# KiCad board omodri_laas.kicad_pcb (continued)
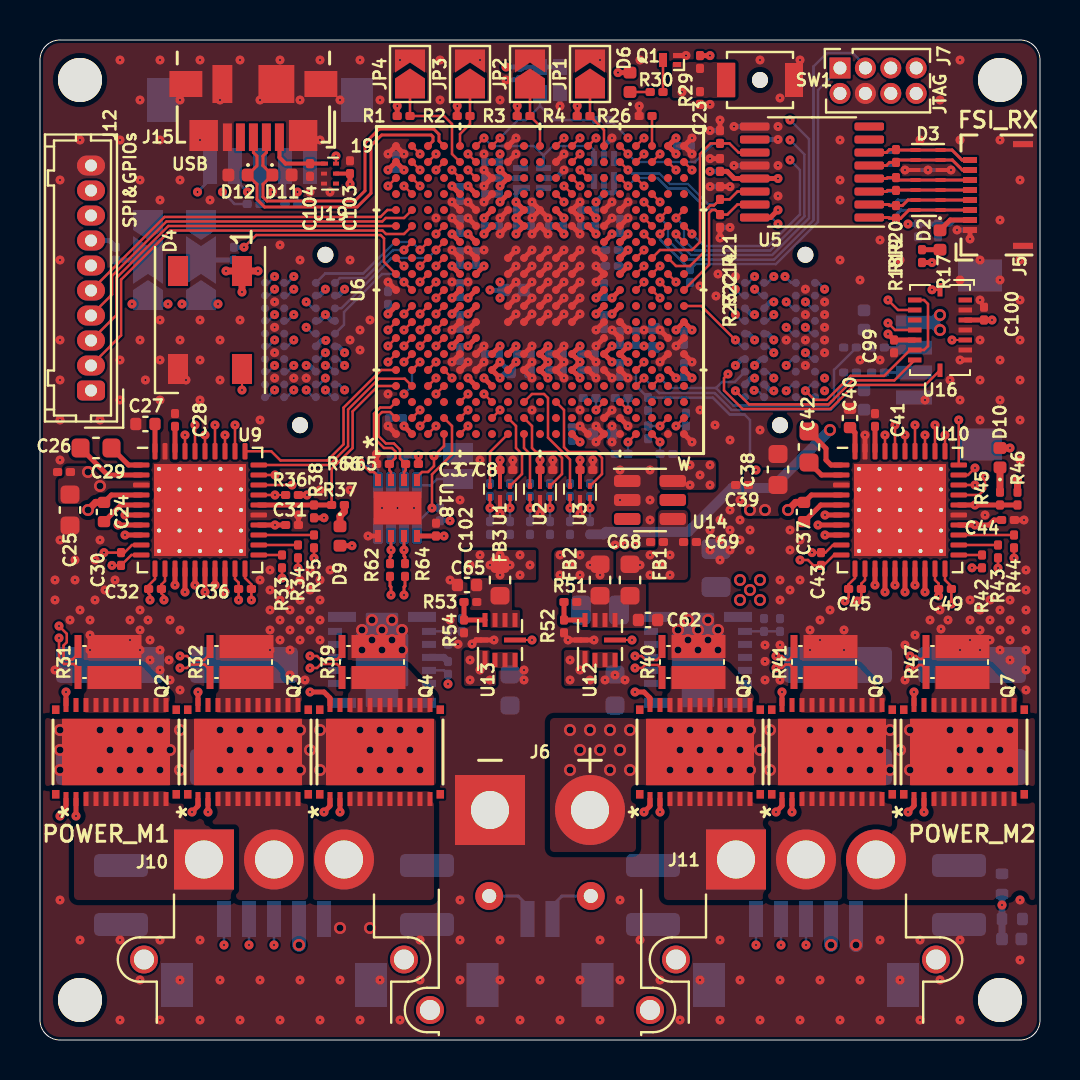
[diagram p0: board, top side]
## Footprints (pads in the part's own frame, mm; a bottom-side part is the same pattern mirrored in y, then rotated) (continued)
PinSocket_2x04_P1.27mm_Vertical
  rect 1.05x1.05 hole 0.65: 1(0,0)
  oval 1.05x1.05 hole 0.65: 2(-1.27,0) 3(0,-1.27) 4(-1.27,-1.27) 5(0,-2.54) 6(-1.27,-2.54) 7(0,-3.81) 8(-1.27,-3.81)
QFN-10_2x2mm_P0.5mm
  rect 0.8x0.25 smd: 1(-0.95,0.75)
  rect 0.7x0.25 smd: 2(-1,0.25) 3(-1,-0.25) 4(-1,-0.75) 6(1,-0.75) 7(1,-0.25) 8(1,0.25) 9(1,0.75)
  rect 0.25x1.1 smd: 5(0,-0.75)
  rect 0.25x0.7 smd: 10(0,0.95)
QFN-40-1EP_6x6mm_P0.5mm_EP4.6x4.6mm_ThermalVias
  custom 0.891x0.891 smd: (-1.538,1.538) (-1.538,0.512) (-1.538,-0.512) (-1.538,-1.538) (-0.512,1.538) (-0.512,0.512) (-0.512,-0.512) (-0.512,-1.538) (0.512,1.538) (0.512,0.512) (0.512,-0.512) (0.512,-1.538) (1.538,1.538) (1.538,0.512) (1.538,-0.512) (1.538,-1.538)
  rrect 0.825x0.25 smd: 1(-2.938,2.25) 2(-2.938,1.75) 3(-2.938,1.25) 4(-2.938,0.75) 5(-2.938,0.25) 6(-2.938,-0.25) 7(-2.938,-0.75) 8(-2.938,-1.25) 9(-2.938,-1.75) 10(-2.938,-2.25) 21(2.938,-2.25) 22(2.938,-1.75) 23(2.938,-1.25) 24(2.938,-0.75) 25(2.938,-0.25) 26(2.938,0.25) 27(2.938,0.75) 28(2.938,1.25) 29(2.938,1.75) 30(2.938,2.25)
  rrect 0.25x0.825 smd: 11(-2.25,-2.938) 12(-1.75,-2.938) 13(-1.25,-2.938) 14(-0.75,-2.938) 15(-0.25,-2.938) 16(0.25,-2.938) 17(0.75,-2.938) 18(1.25,-2.938) 19(1.75,-2.938) 20(2.25,-2.938) 31(2.25,2.938) 32(1.75,2.938) 33(1.25,2.938) 34(0.75,2.938) 35(0.25,2.938) 36(-0.25,2.938) 37(-0.75,2.938) 38(-1.25,2.938) 39(-1.75,2.938) 40(-2.25,2.938)
  round 0.5 hole 0.2: 41(-2.05,2.05) 41(-2.05,1.025) 41(-2.05,0) 41(-2.05,-1.025) 41(-2.05,-2.05) 41(-1.025,2.05) 41(-1.025,1.025) 41(-1.025,0) 41(-1.025,-1.025) 41(-1.025,-2.05) 41(0,2.05) 41(0,1.025) 41(0,0) 41(0,-1.025) 41(0,-2.05) 41(1.025,2.05) 41(1.025,1.025) 41(1.025,0) 41(1.025,-1.025) 41(1.025,-2.05) 41(2.05,2.05) 41(2.05,1.025) 41(2.05,0) 41(2.05,-1.025) 41(2.05,-2.05)
  rect 4.6x4.6 smd: 41(0,0)
  rect 4.6x4.6 smd far side: 41(0,0)
R_0201_0603Metric
  rrect 0.318x0.36 smd: (-0.345,0) (0.345,0)
  rrect 0.46x0.4 smd: 1(-0.32,0) 2(0.32,0)
R_0402_1005Metric
  rrect 0.54x0.64 smd: 1(-0.51,0) 2(0.51,0)
R_Axial_DIN0204_L3.6mm_D1.6mm_P5.08mm_Horizontal
  round 1.4 hole 0.7: 1(0,0)
  oval 1.4x1.4 hole 0.7: 2(5.08,0)
SolderJumper-2_P1.3mm_Open_Pad1.0x1.5mm
  rect 1x1.5 smd: 1(-0.65,0) 2(0.65,0)
SolderJumper-2_P1.3mm_Open_TrianglePad1.0x1.5mm
  custom 1.5x1.5 smd: 1(-0.725,0)
  custom 1.15x1.5 smd: 2(0.725,0)
SolderJumper-3_P2.0mm_Open_TrianglePad1.0x1.5mm_NumberLabels
  rect 1.5x1.5 smd: (-1.2,0) (1.2,0)
  custom 1.5x1.5 smd: 1(-2,0) 3(2,0)
  custom 2.4x1.5 smd: 2(0,0)
SOT886_USON_6_1.45x1.0mm_P0.5mm
  rect 0.35x0.2 smd: 1(-0.275,0.5)
  rect 0.3x0.2 smd: 2(-0.3,0) 3(-0.3,-0.5) 4(0.3,-0.5) 5(0.3,0) 6(0.3,0.5)
SW_SPST_B3U-1000P-B
  round 0.8 hole 0.8 unplated: (0,0)
  rect 0.9x1.7 smd: 1(-1.7,0) 2(1.7,0)
TCXO_SMD_Ecs_TXO-2016-4Pin_2.0x1.6mm
  rect 0.8x0.7 smd: 1(-0.65,-0.5) 2(0.65,-0.5) 3(0.65,0.5) 4(-0.65,0.5)
TSOT-23-6
  rrect 1.325x0.6 smd: 1(-1.137,0.95) 2(-1.137,0) 3(-1.137,-0.95) 4(1.137,-0.95) 5(1.137,0) 6(1.137,0.95)
TSOT-23-8
  rrect 1.325x0.5 smd: 1(-1.137,0.975) 2(-1.137,0.325) 3(-1.137,-0.325) 4(-1.137,-0.975) 5(1.137,-0.975) 6(1.137,-0.325) 7(1.137,0.325) 8(1.137,0.975)
TSSOP-16_4.4x5mm_P0.65mm
  rrect 1.475x0.4 smd: 1(-2.862,2.275) 2(-2.862,1.625) 3(-2.862,0.975) 4(-2.862,0.325) 5(-2.862,-0.325) 6(-2.862,-0.975) 7(-2.862,-1.625) 8(-2.862,-2.275) 9(2.862,-2.275) 10(2.862,-1.625) 11(2.862,-0.975) 12(2.862,-0.325) 13(2.862,0.325) 14(2.862,0.975) 15(2.862,1.625) 16(2.862,2.275)
USB_Micro-B_Molex_47346-0001
  rect 0.45x1.38 smd: 1(-1.3,1.46) 2(-0.65,1.46) 3(0,1.46) 4(0.65,1.46) 5(1.3,1.46)
  rect 1.65x1.3 smd: 6(-3.375,-1.2) 6(3.375,-1.2)
  rect 1.425x1.55 smd: 6(-2.487,1.375) 6(2.487,1.375)
  rect 1.8x1.9 smd: 6(-1.15,-1.2)
  rect 1x1.9 smd: 6(1.55,-1.2)
USON_14
  rect 0.5x0.2 smd: 1(-0.625,1.5) 2(-0.625,1) 3(-0.625,0.5) 4(-0.625,0) 5(-0.625,-0.5) 6(-0.625,-1) 7(-0.625,-1.5) 8(0.625,-1.5) 9(0.625,-1) 10(0.625,-0.5) 11(0.625,0) 12(0.625,0.5) 13(0.625,1) 14(0.625,1.5)
VSON-8-1EP_3.0x3.0mm_P0.65mm_EP1.65x2.4mm
  rect 0.6x0.3 smd: 1(-1.4,0.975) 2(-1.4,0.325) 3(-1.4,-0.325) 4(-1.4,-0.975) 5(1.4,-0.975) 6(1.4,-0.325) 7(1.4,0.325) 8(1.4,0.975)
  rect 1.65x2.4 smd: 9(0,0)
VSON_CLIP_22
  rect 0.7x0.25 smd: 1(-2.35,2.5) 2(-2.35,2) 3(-2.35,1.5) 4(-2.35,1) 5(-2.35,0.5) 6(-2.35,0) 7(-2.35,-0.5) 8(-2.35,-1) 9(-2.35,-1.5) 10(-2.35,-2) 11(-2.35,-2.5) 12(2.35,-2.5) 13(2.35,-2) 14(2.35,-1.5) 15(2.35,-1) 16(2.35,-0.5) 17(2.35,0) 18(2.35,0.5) 19(2.35,1) 20(2.35,1.5) 21(2.35,2) 22(2.35,2.5)
  rect 0.43x0.375 smd: 23(-2.115,3.013) 24(-2.115,-3.013) 25(2.115,-3.013) 26(2.115,3.013)
  rect 3.3x5.4 smd: 27(0,0)
WSON-6_1.5x1.5mm_P0.5mm
  rect 0.85x0.28 smd: 1(-0.525,0.5)
  rect 0.75x0.28 smd: 2(-0.575,0) 3(-0.575,-0.5) 4(0.575,-0.5) 5(0.575,0) 6(0.575,0.5)

## Nets
5V0: C59.1 J2.4 J3.4 J8.C10 J8.D10 R7.1 R8.1 R9.1 R10.1 R11.1 R12.1 R48.1 U11.7 U11.8 U12.1 U13.1
12V0: C25.1 C26.1 C38.1 C39.1 C98.1 R57.1 U9.3 U10.3 U15.7 U15.8
/OMODRI_COM_SPI_USB/VBus: C104.2 J15.1 U19.1
/OMODRI_driver_M1/DVDD: C28.1 U9.38
/OMODRI_driver_M2/DVDD: C41.1 U10.38
/Power distribution/OMODRI_Alim_1V2/1V2: C65.1 FB3.1 R53.1 U13.6 U13.7 U13.8
/Power distribution/OMODRI_Alim_3V3/3V3: C62.1 FB1.1 FB2.1 R51.1 U12.6 U12.7 U12.8
/Power distribution/OMODRI_Alim_5V/V5V_5V0: R49.2 U11.11
GND: C1.2 C2.2 C3.2 C4.2 C5.2 C6.2 C7.2 C8.2 C9.2 C10.2 C11.2 C12.2 C13.2 C14.2 C15.2 C16.2 C17.2 C18.2 C19.2 C20.2 C21.2 C22.2 C23.2 C25.2 C26.2 C27.1 C28.2 C31.2 C33.2 C34.2 C35.2 C38.2 C39.2 C40.1 C41.2 C44.2 C46.2 C47.2 C48.2 C50.2 C51.2 C52.2 C53.2 C54.2 C55.2 C56.2 C57.2 C58.2 C59.2 C60.2 C61.2 C62.2 C63.2 C64.2 C65.2 C66.2 C67.2 C68.2 C69.2 C70.2 C71.2 C72.2 C73.2 C74.2 C75.2 C76.2 C77.2 C78.2 C79.2 C80.2 C81.2 C82.2 C83.2 C84.2 C85.2 C86.2 C87.2 C88.2 C89.2 C90.2 C91.2 C92.2 C93.2 C94.2 C95.2 C96.2 C97.2 C98.2 C99.2 C100.2 C101.2 C102.2 C103.2 C104.1 D1.5 D1.10 D3.5 D3.10 D4.3 D5.2 D7.2 D8.2 D11.2 D12.2 J1.1 J1.MP1 J1.MP2 J2.5 J2.MP1 J2.MP2 J3.5 J3.MP1 J3.MP2 J4.8 J4.MP1 J4.MP2 J5.1 J5.MP1 J5.MP2 J6.1 J7.4 J8.C02 J8.C04 J8.C06 J8.C08 J8.D02 J8.D04 J8.D06 J8.D08 J9.A03 J9.A05 J9.A07 J9.A09 J9.B03 J9.B05 J9.B07 J9.B09 J12.10 J13.MP1 J13.MP2 J14.1 J14.MP1 J14.MP2 J15.5 J15.6 JP1.2 JP2.2 JP3.2 JP4.2 JP5.3 JP6.3 Q1.2 R13.2 R14.1 R15.1 R16.1 R21.1 R22.1 R23.1 R25.2 R26.2 R28.2 R31.4 R32.4 R39.4 R40.4 R41.4 R47.4 R50.1 R52.2 R54.2 R55.2 R56.2 R58.1 R66.1 SW1.1 U1.2 U2.2 U3.2 U4.5 U4.7 U4.8 U5.9 U5.12 U6.A1 U6.A10 U6.A19 U6.E5 U6.E6 U6.E8 U6.E12 U6.E14 U6.E15 U6.F5 U6.F6 U6.F8 U6.F12 U6.F14 U6.F15 U6.G16 U6.G17 U6.H8 U6.H9 U6.H10 U6.H11 U6.H12 U6.H14 U6.H15 U6.H18 U6.H19 U6.J5 U6.J6 U6.J8 U6.J9 U6.J10 U6.J11 U6.J12 U6.K8 U6.K9 U6.K10 U6.K11 U6.K12 U6.K14 U6.K15 U6.L5 U6.L6 U6.L8 U6.L9 U6.L10 U6.L11 U6.L12 U6.L18 U6.M8 U6.M9 U6.M10 U6.M11 U6.M12 U6.M14 U6.M15 U6.N1 U6.N5 U6.N6 U6.P1 U6.P2 U6.P5 U6.P7 U6.P8 U6.P11 U6.P12 U6.P14 U6.P15 U6.R2 U6.R5 U6.R7 U6.R8 U6.R14 U6.R15 U6.V6 U6.V7 U6.W1 U6.W6 U6.W7 U6.W19 U7.5 U8.5 U9.25 U9.39 U9.41 U10.25 U10.39 U10.41 U11.3 U11.6 U11.10 U11.13 U11.15 U12.10 U13.10 U14.1 U14.2 U15.3 U15.6 U15.10 U15.13 U15.15 U16.2 U16.4 U16.6 U16.7 U17.2 U17.8 U18.5 U18.9 U19.2 U19.3 X1.2
VDD_1V2: C66.1 C67.1 C72.1 C73.1 C74.1 C75.1 C76.1 C77.1 C78.1 FB3.2 R55.1 R56.1 U6.E9 U6.E11 U6.F9 U6.F11 U6.G14 U6.G15 U6.J14 U6.J15 U6.K5 U6.K6 U6.P10 U6.P13 U6.R10 U6.R13 U8.1
VDD_3V3: C3.1 C7.1 C8.1 C13.1 C14.1 C20.1 C21.1 C22.1 C52.1 C53.1 C54.1 C55.1 C60.1 C61.1 C79.1 C80.1 C81.1 C82.1 C83.1 C84.1 C85.1 C86.1 C87.1 C88.1 C89.1 C90.1 C91.1 C92.1 C93.1 C94.1 C99.1 C100.1 C101.1 C102.1 C103.1 D4.1 D6.2 D9.2 D10.2 FB1.2 J7.2 J8.A03 J8.A05 J8.A07 J8.A09 J8.B03 J8.B05 J8.B07 J8.B09 J9.C02 J9.C04 J9.C06 J9.C08 J9.D02 J9.D04 J9.D06 J9.D08 J12.1 JP5.1 JP6.1 R1.1 R2.1 R3.1 R4.1 R17.2 R29.1 R36.2 R38.2 R46.2 R61.1 R65.1 U1.5 U2.5 U3.5 U4.4 U5.13 U5.16 U6.A9 U6.A18 U6.B1 U6.E7 U6.E10 U6.E13 U6.E16 U6.F4 U6.F7 U6.F10 U6.F13 U6.F16 U6.G4 U6.G5 U6.G6 U6.H5 U6.H6 U6.H16 U6.H17 U6.L14 U6.L15 U6.M1 U6.M5 U6.M6 U6.N14 U6.N15 U6.P9 U6.R9 U6.R11 U6.R12 U6.V19 U6.W8 U7.1 U7.2 U8.2 U16.3 U16.11 U17.3 U18.8 U19.5 X1.1 X1.4
VDDA_3V3: C50.1 C51.1 C63.1 C64.1 C68.1 C69.1 FB2.2 J1.4 U6.P6 U6.R6 U14.4
/analog1: J1.2 R5.2
/analog2: J1.3 R6.2
/JTAG + CLOCK + RESET/25MHz_OSC_SRC: J8.C03 R27.2
/JTAG + CLOCK + RESET/ERRORSTS: R26.1 U6.U19
/JTAG + CLOCK + RESET/F2838x_CLK_25MHz: R27.1 U6.G19 X1.3
/JTAG + CLOCK + RESET/TCK: J7.3 U6.V15
/JTAG + CLOCK + RESET/TDI: J7.7 U6.W13
/JTAG + CLOCK + RESET/TDO: J7.8 U6.W15
/JTAG + CLOCK + RESET/TMS: J7.5 U6.W14
/JTAG + CLOCK + RESET/~{TRSTn}: J7.1 R28.1 U6.V14
/JTAG + CLOCK + RESET/~{XRSn}: C23.1 Q1.1 R29.2 SW1.2 U6.F19 U7.4 U8.4
/OMODRI_CAN_RS485/CAN_RS485_H: R62.1 U17.7 U18.6
/OMODRI_CAN_RS485/CAN_RS485_L: R64.1 U17.6 U18.7
/OMODRI_CAN_RS485/CAN_RS485_N: J13.2 R63.2 R64.2
/OMODRI_CAN_RS485/CAN_RS485_P: J13.1 R62.2 R63.1
/OMODRI_CAN_RS485/CAN_RX_SCI_RX: JP7.1 U6.D1 U18.1
/OMODRI_CAN_RS485/CAN_RXD: JP7.2 U17.4
/OMODRI_CAN_RS485/CAN_SHDN: R61.2 U6.D2 U17.5
/OMODRI_CAN_RS485/CAN_TX_SCI_TX: U6.C2 U17.1 U18.4
/OMODRI_CAN_RS485/SCI_RX_EN: R65.2 U6.A2 U18.2
/OMODRI_CAN_RS485/SCI_TX_EN: R66.2 U6.A3 U18.3
/OMODRI_COM_SPI_USB/COM_SIMO: J14.3 R68.1
/OMODRI_COM_SPI_USB/COM_SOMI: J14.2 R67.1
/OMODRI_COM_SPI_USB/COM_SPI_CLK: J14.5 U6.N17
/OMODRI_COM_SPI_USB/COM_SPI_SIMO: R68.2 U6.M17
/OMODRI_COM_SPI_USB/COM_SPI_SOMI: R67.2 U6.L16
/OMODRI_COM_SPI_USB/USB_GPIO_DETECT: U6.B19 U19.6
/OMODRI_COM_SPI_USB/USB_N: D11.1 J15.2 U6.D19
/OMODRI_COM_SPI_USB/USB_P: D12.1 J15.3 U6.C19
/OMODRI_COM_SPI_USB/~{COM_SPI_CSn}: J14.4 U6.M16
/OMODRI_driver_M1/CPH: C29.1 U9.2
/OMODRI_driver_M1/CPL: C29.2 U9.1
/OMODRI_driver_M1/GHA: Q2.1 U9.6
/OMODRI_driver_M1/GHB: Q3.1 U9.15
/OMODRI_driver_M1/GHC: Q4.1 U9.16
/OMODRI_driver_M1/GLA: Q2.22 U9.8
/OMODRI_driver_M1/GLB: Q3.22 U9.13
/OMODRI_driver_M1/GLC: Q4.22 U9.18
/OMODRI_driver_M1/MOTOR_CH1: J10.1 Q2.3 Q2.4 Q2.5 Q2.6 Q2.7 Q2.8 Q2.9 Q2.10 Q2.11
/OMODRI_driver_M1/MOTOR_CH2: J10.2 Q3.3 Q3.4 Q3.5 Q3.6 Q3.7 Q3.8 Q3.9 Q3.10 Q3.11
/OMODRI_driver_M1/MOTOR_CH3: J10.3 Q4.3 Q4.4 Q4.5 Q4.6 Q4.7 Q4.8 Q4.9 Q4.10 Q4.11
/OMODRI_driver_M1/OUT_M1_CH1: Q2.12 Q2.13 Q2.14 Q2.15 Q2.16 Q2.17 Q2.18 Q2.19 Q2.20 R31.1
/OMODRI_driver_M1/OUT_M1_CH2: Q3.12 Q3.13 Q3.14 Q3.15 Q3.16 Q3.17 Q3.18 Q3.19 Q3.20 R32.1
/OMODRI_driver_M1/OUT_M1_CH3: Q4.12 Q4.13 Q4.14 Q4.15 Q4.16 Q4.17 Q4.18 Q4.19 Q4.20 R39.1
/OMODRI_driver_M1/SHA: Q2.2 U9.7
/OMODRI_driver_M1/SHB: Q3.2 U9.14
/OMODRI_driver_M1/SHC: Q4.2 U9.17
/OMODRI_driver_M1/SNA: C30.2 R31.3 U9.10
/OMODRI_driver_M1/SNB: C32.2 R32.3 U9.11
/OMODRI_driver_M1/SNC: C36.2 R39.3 U9.20
/OMODRI_driver_M1/SOA_out: R35.2 U9.23
/OMODRI_driver_M1/SOB_out: R34.2 U9.22
/OMODRI_driver_M1/SOC_out: R33.2 U9.21
/OMODRI_driver_M1/SPA: C30.1 R31.2 U9.9
/OMODRI_driver_M1/SPB: C32.1 R32.2 U9.12
/OMODRI_driver_M1/SPC: C36.1 R39.2 U9.19
/OMODRI_driver_M1/VCP_DRV: C24.2 U9.5
/OMODRI_driver_M1/VGLS: C27.2 U9.40
/OMODRI_driver_M2/CPH: C42.1 U10.2
/OMODRI_driver_M2/CPL: C42.2 U10.1
/OMODRI_driver_M2/GHA: Q5.1 U10.6
/OMODRI_driver_M2/GHB: Q6.1 U10.15
/OMODRI_driver_M2/GHC: Q7.1 U10.16
/OMODRI_driver_M2/GLA: Q5.22 U10.8
/OMODRI_driver_M2/GLB: Q6.22 U10.13
/OMODRI_driver_M2/GLC: Q7.22 U10.18
/OMODRI_driver_M2/MOTOR_CH1: J11.1 Q5.3 Q5.4 Q5.5 Q5.6 Q5.7 Q5.8 Q5.9 Q5.10 Q5.11
/OMODRI_driver_M2/MOTOR_CH2: J11.2 Q6.3 Q6.4 Q6.5 Q6.6 Q6.7 Q6.8 Q6.9 Q6.10 Q6.11
/OMODRI_driver_M2/MOTOR_CH3: J11.3 Q7.3 Q7.4 Q7.5 Q7.6 Q7.7 Q7.8 Q7.9 Q7.10 Q7.11
/OMODRI_driver_M2/OUT_M1_CH1: Q5.12 Q5.13 Q5.14 Q5.15 Q5.16 Q5.17 Q5.18 Q5.19 Q5.20 R40.1
/OMODRI_driver_M2/OUT_M1_CH2: Q6.12 Q6.13 Q6.14 Q6.15 Q6.16 Q6.17 Q6.18 Q6.19 Q6.20 R41.1
/OMODRI_driver_M2/OUT_M1_CH3: Q7.12 Q7.13 Q7.14 Q7.15 Q7.16 Q7.17 Q7.18 Q7.19 Q7.20 R47.1
/OMODRI_driver_M2/SHA: Q5.2 U10.7
/OMODRI_driver_M2/SHB: Q6.2 U10.14
/OMODRI_driver_M2/SHC: Q7.2 U10.17
/OMODRI_driver_M2/SNA: C43.2 R40.3 U10.10
/OMODRI_driver_M2/SNB: C45.2 R41.3 U10.11
/OMODRI_driver_M2/SNC: C49.2 R47.3 U10.20
/OMODRI_driver_M2/SOA_out: R44.2 U10.23
/OMODRI_driver_M2/SOB_out: R43.2 U10.22
/OMODRI_driver_M2/SOC_out: R42.2 U10.21
/OMODRI_driver_M2/SPA: C43.1 R40.2 U10.9
/OMODRI_driver_M2/SPB: C45.1 R41.2 U10.12
/OMODRI_driver_M2/SPC: C49.1 R47.2 U10.19
/OMODRI_driver_M2/VCP_DRV: C37.2 U10.5
/OMODRI_driver_M2/VGLS: C40.2 U10.40
/OMODRI_FSI_RX/FSI_RX_CLK: R21.2 U5.11 U6.U12
/OMODRI_FSI_RX/FSI_RX_D0: R22.2 U5.14 U6.V12
/OMODRI_FSI_RX/FSI_RX_D1: R23.2 U5.15 U6.W10
/OMODRI_FSI_RX/RX_CLK_LVDS_N: D3.6 D3.9 J5.7 R20.2 U5.5
/OMODRI_FSI_RX/RX_CLK_LVDS_P: D3.7 D3.8 J5.8 R20.1 U5.6
/OMODRI_FSI_RX/RX_D0_LVDS_N: D3.4 D3.11 J5.6 R19.2 U5.4
/OMODRI_FSI_RX/RX_D0_LVDS_P: D3.3 D3.12 J5.5 R19.1 U5.3
/OMODRI_FSI_RX/RX_D1_LVDS_N: D3.1 D3.14 J5.3 R18.2 U5.1
/OMODRI_FSI_RX/RX_D1_LVDS_P: D3.2 D3.13 J5.4 R18.1 U5.2
/OMODRI_FSI_TX/FSI_TX_CLK: R16.2 U4.6 U6.R19
/OMODRI_FSI_TX/FSI_TX_D0: R14.2 U4.2 U6.R17
/OMODRI_FSI_TX/FSI_TX_D1: R15.2 U4.3 U6.R18
/OMODRI_FSI_TX/FSI_TX_EN: C12.1 J4.7 R13.1 U4.1
/OMODRI_FSI_TX/TX_CLK_LVDS_N: D1.6 D1.9 J4.2 U4.12
/OMODRI_FSI_TX/TX_CLK_LVDS_P: D1.7 D1.8 J4.1 U4.11
/OMODRI_FSI_TX/TX_D0_LVDS_N: D1.4 D1.11 J4.3 U4.13
/OMODRI_FSI_TX/TX_D0_LVDS_P: D1.3 D1.12 J4.4 U4.14
/OMODRI_FSI_TX/TX_D1_LVDS_N: D1.1 D1.14 J4.6 U4.16
/OMODRI_FSI_TX/TX_D1_LVDS_P: D1.2 D1.13 J4.5 U4.15
/OMODRI_GPIO/ANALOG_IN1: C1.1 D8.1 R5.1 U6.T4
/OMODRI_GPIO/ANALOG_IN2: C2.1 D7.1 J8.A08 R6.1 U6.U4
/OMODRI_GPIO/BOOT_MODE_0: R59.2 U6.A11
/OMODRI_GPIO/DBG_GPIO_0: J12.2 U6.B14
/OMODRI_GPIO/DBG_GPIO_1: J12.3 U6.A14
/OMODRI_GPIO/DBG_GPIO_2: J12.4 U6.B15
/OMODRI_GPIO/DBG_GPIO_3: J12.5 U6.A15
/OMODRI_GPIO/DBG_GPIO_SPI_CS2_n: J8.B08 U6.V11
/OMODRI_GPIO/DBG_SPI_CLK: J8.B10 J12.6 U6.B17 U16.8
/OMODRI_GPIO/DBG_SPI_SIMO: J8.A10 J12.8 U6.B18 U16.9
/OMODRI_GPIO/DBG_SPI_SOMI: J8.D09 J12.9 U6.A17 U16.10 U16.15
/OMODRI_GPIO/DRV1_GPIO_EN: U6.A5 U9.31
/OMODRI_GPIO/DRV2_GPIO_EN: U6.U11 U10.31
/OMODRI_GPIO/DRV_SPI_CLK: U6.E3 U9.29 U10.29
/OMODRI_GPIO/DRV_SPI_SIMO: U6.E1 U9.28 U10.28
/OMODRI_GPIO/DRV_SPI_SOMI: R36.1 U6.E2 U9.27 U10.27
/OMODRI_GPIO/ECAT0_INT: J9.A06 U6.C11
/OMODRI_GPIO/ECAT1_INT: J8.A06 U6.W9
/OMODRI_GPIO/ENC1_CHA: U2.4 U6.J2
/OMODRI_GPIO/ENC1_CHB: U3.6 U6.J3
/OMODRI_GPIO/ENC1_CHI: U3.4 U6.L3
/OMODRI_GPIO/ENC2_CHA: U1.6 U6.H1
/OMODRI_GPIO/ENC2_CHB: U1.4 U6.H2
/OMODRI_GPIO/ENC2_CHI: U2.6 U6.J1
/OMODRI_GPIO/ESC_I2C_SCL: J9.C01 U6.C13
/OMODRI_GPIO/ESC_I2C_SDA: J9.D01 U6.B13
/OMODRI_GPIO/ESC_LED_ERR: J9.B01 U6.E17
/OMODRI_GPIO/ESC_LED_LINK0_ACTIVE: J9.B02 U6.F18
/OMODRI_GPIO/ESC_LED_LINK1_ACTIVE: J9.A02 U6.F17
/OMODRI_GPIO/ESC_LED_RUN: J9.A01 U6.D18
/OMODRI_GPIO/ESC_MDIO_CLK: J9.D03 U6.D13
/OMODRI_GPIO/ESC_MDIO_DATA: J9.B04 U6.A12
/OMODRI_GPIO/ESC_PHY0_LINKSTATUS: J9.C03 U6.D14
/OMODRI_GPIO/ESC_PHY1_LINKSTATUS: J8.A02 U6.C18
/OMODRI_GPIO/ESC_RX0_CLK: J9.C09 U6.A8
/OMODRI_GPIO/ESC_RX0_D0: J9.D10 U6.C5
/OMODRI_GPIO/ESC_RX0_D1: J9.B10 U6.D5
/OMODRI_GPIO/ESC_RX0_D2: J9.C10 U6.C4
/OMODRI_GPIO/ESC_RX0_D3: J9.A10 U6.D4
/OMODRI_GPIO/ESC_RX0_DV: J9.D07 U6.D9
/OMODRI_GPIO/ESC_RX0_ERR: J9.D09 U6.B8
/OMODRI_GPIO/ESC_RX1_CLK: J8.B02 U6.T18
/OMODRI_GPIO/ESC_RX1_D0: J8.C05 U6.N19
/OMODRI_GPIO/ESC_RX1_D1: J8.B06 U6.M19
/OMODRI_GPIO/ESC_RX1_D2: J8.D07 U6.M18
/OMODRI_GPIO/ESC_RX1_D3: J8.C07 U6.L19
/OMODRI_GPIO/ESC_RX1_DV: J8.D03 U6.T17
/OMODRI_GPIO/ESC_RX1_ERR: J8.A01 U6.T19
/OMODRI_GPIO/ESC_TX0_CLK: J9.D05 U6.B10
/OMODRI_GPIO/ESC_TX0_D0: J9.B06 U6.C10
/OMODRI_GPIO/ESC_TX0_D1: J9.A08 U6.D10
/OMODRI_GPIO/ESC_TX0_D2: J9.C07 U6.B9
/OMODRI_GPIO/ESC_TX0_D3: J9.B08 U6.C9
/OMODRI_GPIO/ESC_TX0_ENA: J9.C05 U6.D12
/OMODRI_GPIO/ESC_TX1_CLK: J8.A04 U6.U10
/OMODRI_GPIO/ESC_TX1_D0: J8.B04 U6.V10
/OMODRI_GPIO/ESC_TX1_D1: J8.D01 U6.W18
/OMODRI_GPIO/ESC_TX1_D2: J8.C01 U6.V18
/OMODRI_GPIO/ESC_TX1_D3: J8.B01 U6.U18
/OMODRI_GPIO/ESC_TX1_ENA: J8.D05 U6.T10
/OMODRI_GPIO/GPIO_SELECT_0: JP1.1 R4.2 U6.P19
/OMODRI_GPIO/GPIO_SELECT_1: JP2.1 R3.2 U6.K19
/OMODRI_GPIO/GPIO_SELECT_2: JP3.1 R2.2 U6.E19
/OMODRI_GPIO/GPIO_SELECT_3: JP4.1 R1.2 U6.E18
/OMODRI_GPIO/IMU_GPIO_INT1: U6.U16 U16.16
/OMODRI_GPIO/IMU_GPIO_INT3: U6.U14 U16.12
/OMODRI_GPIO/IMU_INT2: U16.1
/OMODRI_GPIO/IMU_INT4: U16.13
/OMODRI_GPIO/M1_Ia: C35.1 R35.1 U6.T1
/OMODRI_GPIO/M1_Ib: C34.1 R34.1 U6.W2
/OMODRI_GPIO/M1_Ic: C33.1 R33.1 U6.P3
/OMODRI_GPIO/M1_PWM1_CHA: U6.C8 U9.32
/OMODRI_GPIO/M1_PWM1_CHB: U6.D8 U9.33
/OMODRI_GPIO/M1_PWM2_CHA: U6.A7 U9.34
/OMODRI_GPIO/M1_PWM2_CHB: U6.B7 U9.35
/OMODRI_GPIO/M1_PWM3_CHA: U6.C7 U9.36
/OMODRI_GPIO/M1_PWM3_CHB: U6.D7 U9.37
/OMODRI_GPIO/M1_Vbus: C19.1 D5.1 R24.2 R25.1 U6.T5
/OMODRI_GPIO/M2_Ia: C48.1 R44.1 U6.U1
/OMODRI_GPIO/M2_Ib: C47.1 R43.1 U6.V2
/OMODRI_GPIO/M2_Ic: C46.1 R42.1 U6.R3
/OMODRI_GPIO/M2_PWM1_CHA: U6.A6 U10.32
/OMODRI_GPIO/M2_PWM1_CHB: U6.B6 U10.33
/OMODRI_GPIO/M2_PWM2_CHA: U6.G2 U10.34
/OMODRI_GPIO/M2_PWM2_CHB: U6.G3 U10.35
/OMODRI_GPIO/M2_PWM3_CHA: U6.B2 U10.36
/OMODRI_GPIO/M2_PWM3_CHB: U6.C1 U10.37
/OMODRI_GPIO/WS2812B_CMD_SIMO: D4.4 U6.B5
/OMODRI_GPIO/~{DBG_SPI_CSn}_BOOT_MODE_1: J8.C09 J12.7 R60.2 U6.B16
/OMODRI_GPIO/~{DRV1_GPIO_CSn}: U6.B4 U9.30
/OMODRI_GPIO/~{DRV1_GPIO_FAULTn}: R37.1 R38.1 U6.A4 U9.26
/OMODRI_GPIO/~{DRV2_GPIO_CSn}: U6.T11 U10.30
/OMODRI_GPIO/~{DRV2_GPIO_FAULTn}: R45.1 R46.1 U6.T12 U10.26
/OMODRI_GPIO/~{ESC_PHY_RESETn}: J9.A04 U6.C12
/OMODRI_GPIO/~{IMU_GPIO_SPI_ACCEL_CSn}: U6.U13 U16.14
/OMODRI_GPIO/~{IMU_GPIO_SPI_GYRO_CSn}: U6.U15 U16.5
/OMODRI_IMU_DBG/BOOT_0: JP5.2 R59.1
/OMODRI_IMU_DBG/BOOT_1: JP6.2 R60.1
/OMODRI_QuadEncod/ENC1_A: C6.1 J2.1 R9.2 U2.3
/OMODRI_QuadEncod/ENC1_B: C5.1 J2.2 R8.2 U3.1
/OMODRI_QuadEncod/ENC1_I: C4.1 J2.3 R7.2 U3.3
/OMODRI_QuadEncod/ENC2_A: C11.1 J3.1 R12.2 U1.1
/OMODRI_QuadEncod/ENC2_B: C10.1 J3.2 R11.2 U1.3
/OMODRI_QuadEncod/ENC2_I: C9.1 J3.3 R10.2 U2.1
/Power distribution/OMODRI_Alim_1V2/FB_1V2: R53.2 R54.1 U13.9
/Power distribution/OMODRI_Alim_1V2/PG_5V0: R49.1 U11.12 U12.5 U13.5
/Power distribution/OMODRI_Alim_1V2/SW: U13.2 U13.3 U13.4
/Power distribution/OMODRI_Alim_3V3/FB_3V3: R51.2 R52.1 U12.9
/Power distribution/OMODRI_Alim_3V3/SW: U12.2 U12.3 U12.4
/Power distribution/OMODRI_Alim_5V/FB_5V0: R48.2 R50.2 U11.9
/Power distribution/OMODRI_Alim_12V/FB_12V0: R57.2 R58.2 U15.9
REF_3V0_BUF: C31.1 C44.1 C70.1 C71.1 U6.R1 U6.V1 U6.V5 U6.W5 U9.24 U10.24 U14.6
VPOWER: C15.1 C16.1 C17.1 C18.1 C24.1 C37.1 C56.1 C57.1 C58.1 C95.1 C96.1 C97.1 J6.2 Q2.27 Q3.27 Q4.27 Q5.27 Q6.27 Q7.27 R24.1 U9.4 U10.4 U11.1 U11.2 U11.14 U15.1 U15.2 U15.14
Net-(D2-Pad1): D2.1 J5.2
Net-(D2-Pad2): D2.2 R17.1
Net-(D6-Pad1): D6.1 R30.1
Net-(D9-Pad1): D9.1 R37.2
Net-(D10-Pad1): D10.1 R45.2
Net-(Q1-Pad3): Q1.3 R30.2

Pads without a net: D4 2; J7 6; J15 4; Q2 21 23 24 25 26; Q3 21 23 24 25 26; Q4 21 23 24 25 26; Q5 21 23 24 25 26; Q6 21 23 24 25 26; Q7 21 23 24 25 26; U4 9 10; U5 7 8 10; U6 A13 A16 B3 B11 B12 C3 C6 C14 C15 C16 C17 D3 D6 D11 D15 D16 D17 E4 F1 F2 F3 G1 G18 H3 H4 J4 J16 J17 J18 J19 K1 K2 K3 K4 K16 K17 K18 L1 L2 L4 L17 M2 M3 M4 N2 N3 N4 N16 N18 P4 P16 P17 P18 R4 R16 T2 T3 T6 T7 T8 T9 T13 T14 T15 T16 U2 U3 U5 U6 U7 U8 U9 U17 V3 V4 V8 V9 V13 V16 V17 W3 W4 W11 W12 W16 W17; U7 3 6; U8 3 6; U11 4 5; U14 3 5; U15 4 5 11 12; U19 4

## Via types
v1: diameter 0.45, hole 0.1, Top to Bottom, 888 vias
v2: diameter 0.6, hole 0.35, Top to Bottom, 139 vias

## Routing (per net, layer and track width the routed paths; a pad name or vN(x,y) marks a point on that pad's centre or on a via; arc(x,y) is an arc through that point)
5V0: length 60.3
  In3_sig.Cu w0.75: v1(26.5,19) v1(26.5,18) ; v1(26.5,18) v1(27.5,18) ; v1(26.5,18) 25,16.5 25,7 ; v1(26.5,18) v1(27,18.5) ; v2(12.95,4.75) 16.85,4.75 18.1,6 24,6 25,7 ; 25,7 26,6 31.8,6 33.9,3.9 38.7,3.9 v2(39.55,4.75)
  Bottom w0.5: R7.1 28.18,25.28 28.31,25.41 32.41,25.41 34.6,27.6 36.6,27.6 v2(39.5,30.5)
  Bottom w0.7: J2.4 v2(39.55,4.75) ; J3.4 v2(12.95,4.75)
  vias: v1(21.5,19) v1(21.5,18) v1(22,18.5) v1(22.5,18) v1(39.23,33.09) v1(39.23,32.46)
12V0:
  vias: v2(2.4,28.4) v2(3,27.7) v2(35,23) v2(35,22) v2(35.5,26.5) v2(35.5,22.5) v2(36,23) v2(36,22) v2(36.25,26.5)
/OMODRI_COM_SPI_USB/VBus: length 3.4
  Top w0.2: U19.1 C104.2 12.28,43.82 11.97,44.13 J15.1
/OMODRI_driver_M1/DVDD: length 1.2
  Top w0.25: U9.38 C28.1
/OMODRI_driver_M2/DVDD: length 1.2
  Top w0.25: U10.38 C41.1
/Power distribution/OMODRI_Alim_5V/V5V_5V0: length 1
  Bottom w0.35: U11.11 20.19,19.13 R49.2
GND: length 113.6
  Top w0.2: U2.2 v1(25,26.3) ; D3.5 v1(45.55,43.5) ; U3.2 v1(27,26.3) ; D3.10 v1(43.25,43.5) ; U1.2 v1(23,26.3)
  Top w0.25: U6.L11 v1(26.2,38.7) ; U6.M11 v1(27,38.7) ; U6.M14 v1(27,40.3) ; v1(25.4,40.3) U6.K14 v1(24.6,40.3) ; U6.K15 v1(25.4,41.1) ; U6.K15 v1(24.6,41.1) ; U6.K15 v1(24.6,41.9) ; v1(27,41.1) U6.M15 v1(27,41.9) ; U6.F14 v1(21.4,41.1) ; v1(28.6,35.5) U6.R7 ; U6.H8 v1(23.8,36.3) ; v1(24.6,33.1) U6.J5 v1(24.6,33.9) ; U6.W1 v1(32.6,29.9) ; v1(22.2,43.5) U6.G17 v1(22.2,42.7) ; U6.H12 v1(23.8,39.5) ; U6.L6 26.2,33.9 ; U6.L6 v1(26.2,34.7) ; U6.L6 25.81,34.3 ; Q1.2 v1(32.3,49.23) ; U6.E6 v1(20.6,33.9) ; U6.L12 v1(26.2,39.5) ; R21.1 v1(34,46) ; U6.P14 v1(28.6,41.1) ; U6.A10 v1(17.4,37.9) ; v1(27,37.1) U6.M9 ; v1(26.4,20) U12.10 v1(27.7,20) ; U6.E8 v1(20.6,35.5) ; C8.2 v1(27.64,29) ; U6.N6 v1(27.8,33.9) ; U6.R14 v1(29.4,41.1) ; U6.E15 v1(20.6,41.9) ; C14.2 v1(33.5,44.07) ; U6.A1 v1(17.4,30.7) ; U6.H14 v1(23,40.3) ; U6.W6 v1(32.6,33.9) ; U6.J6 v1(24.6,34.7) ; v1(27,30.7) U6.N1 ; v1(27.8,35.5) U6.P8 ; v1(32.6,45.1) U6.W19 v1(32.6,44.3) ; v1(22.7,20) U13.10 21.8,20 v1(21.6,19.8) ; U6.R15 v1(29.4,41.9) ; v1(12.92,26.25) C31.2 ; U6.F5 v1(22.2,33.9) ; v1(22.2,34.7) U6.F6 ; U6.R8 v1(29.4,35.5) ; v1(26.2,33.9) U6.L5 v1(26.2,33.1) ; U6.F8 v1(21.4,35.5) ; U6.J12 v1(24.6,39.5) ; C3.2 v1(23.64,29) ; U6.K12 v1(25.4,39.5) ; v1(26.2,44.3) U6.L18 ; U6.V7 v1(31,35.5) ; v1(27.8,29.9) U6.P1 v1(27.8,30.7) ; v1(27.8,38.7) U6.P11 v1(27.8,37.9) ; v1(34.5,42.67) R22.1 ; U6.K8 v1(25.4,36.3) ; U6.H10 v1(23.8,37.9) ; v1(16.4,25.2) U18.5 ; U6.N5 v1(27.8,33.1) ; U6.R2 v1(29.4,30.7) ; U6.M8 v1(27,36.3) ; C23.2 v1(33.5,46.78) ; U6.J8 v1(24.6,36.3) ; U6.K10 v1(25.4,37.9) ; U6.M12 v1(27,39.5) ; v1(16.83,29.3) R66.1 ; U6.K9 v1(25.4,37.1) ; U6.E14 v1(20.6,41.1) ; v1(24.6,38.7) U6.J11 ; v1(23.8,38.7) U6.H11 ; C44.2 v1(49.2,26) ; U6.H19 v1(23.8,45.1) ; U6.P12 v1(27.8,39.5) ; U6.P2 v1(28.6,31.5) ; U6.L9 v1(26.2,37.1) ; C7.2 v1(25.64,29) ; U6.J10 v1(24.6,37.9) ; U6.P15 v1(28.6,41.9) ; U6.H15 v1(23,41.1) ; R26.2 v1(29.96,46.7) ; U6.P7 v1(27.8,34.7) ; U6.W7 v1(31.8,34.7) ; U6.E12 v1(20.6,39.5) ; v1(46.5,40.05) J5.1 ; U6.P5 v1(28.6,33.1) ; v1(34,40.1) R23.1 ; U6.F15 v1(21.4,41.9) ; U6.M10 v1(27,37.9) ; U6.E5 v1(21.4,33.9) ; U6.G16 v1(22.2,41.9) ; v1(18.2,44.3) U6.A19 v1(17.4,44.3) ; U6.V6 v1(31,33.9) ; U6.F12 v1(21.4,39.5) ; U6.L10 v1(26.2,37.9) ; U6.H9 v1(23.8,37.1) ; U6.H18 v1(23.8,44.3) ; U6.J9 v1(24.6,37.1) ; U6.R5 v1(29.4,33.1) ; v1(25.4,38.7) U6.K11 ; U6.L8 v1(26.2,36.3) ; U10.39 v1(41.25,30.25)
  Bottom w0.2: v1(43.25,43.5) D3.10 v1(44.4,43.5) D3.5 v1(45.55,43.5)
  Bottom w0.25: C88.2 17.4,37.9 v1(17.4,37.9) ; v1(27.8,29.9) 27.8,30.14 C70.2 27.8,30.46 v1(27.8,30.7) ; v1(27.8,37.9) 28.12,37.9 C75.2 ; v1(29.4,41.1) 29.08,41.1 C76.2 28.92,41.1 v1(28.6,41.1) ; X1.2 v1(26,46.7) ; v1(24.2,18.5) 23.97,18.28 C58.2 23.92,18.28 v1(24.2,18) ; v1(18.2,44.3) 17.88,44.3 C90.2 17.72,44.3 v1(17.4,44.3) ; U8.5 25.8,43.1 v1(26.2,43.5) ; v1(32.6,33.9) 32.28,33.9 C71.2 ; J5.1 v1(45.85,40.5) ; v1(23.3,48) 23.31,48.01 C20.2 ; v1(22.2,33.9) 22.2,34.22 C82.2 22.2,34.38 v1(22.2,34.7) ; R23.1 v1(34.5,40.63) ; v1(24.6,40.3) 24.6,40.62 C67.2 24.6,40.78 v1(24.6,41.1) 24.6,41.42 C77.2 24.6,41.58 v1(24.6,41.9) ; C92.2 26.92,30.62 v1(27,30.7) ; U6.J10 v1(24.6,37.1) ; U6.J10 v1(24.6,37.9) ; U6.J10 v1(23.8,37.1) ; U6.J10 v1(23.8,37.9) ; v1(27.8,33.1) 27.8,33.42 C83.2 27.8,33.58 v1(27.8,33.9) ; C14.2 v1(33.5,44.07) ; v1(21.4,35.5) 21.08,35.5 C73.2 20.92,35.5 v1(20.6,35.5) ; v1(21.4,41.9) 21.08,41.9 C89.2 20.92,41.9 v1(20.6,41.9) ; v1(24.6,33.1) 24.6,33.28 C60.2 24.6,33.52 v1(24.6,33.9) 24.6,34.22 C61.2 24.6,34.38 v1(24.6,34.7) ; U7.5 28.2,44.7 v1(28.6,45.1) ; v1(23,40.3) 23,40.62 C78.2 23,40.78 v1(23,41.1) ; v1(26.2,33.1) 26.2,33.42 C74.2 26.2,33.58 v1(26.2,33.9) 26.2,34.22 R55.2 26.2,34.38 v1(26.2,34.7) ; R50.1 v1(20.9,19.79) ; U5.12 v1(34.7,43.73) ; v1(32.6,44.3) 32.6,44.62 C94.2 32.6,44.78 v1(32.6,45.1) ; U5.9 v1(34.7,45.67) ; v1(21.4,37.9) 21.08,37.9 C80.2 20.92,37.9 v1(20.6,37.9) ; v1(25.4,41.1) 25.4,40.78 C87.2 25.4,40.62 v1(25.4,40.3) ; v1(31,35.5) 30.78,35.5 C63.2 30.62,35.5 v1(30.2,35.5) 29.88,35.5 C64.2 29.72,35.5 v1(29.4,35.5) 29.08,35.5 C50.2 28.92,35.5 v1(28.6,35.5) 28.28,35.5 C84.2 28.12,35.5 v1(27.8,35.5) ; v1(29.4,33.1) 29.08,33.1 C51.2 28.92,33.1 v1(28.6,33.1) ; U4.7 36.85,45.02 ; v1(22.2,44.3) 22.2,43.98 C22.2 22.2,43.82 v1(22.2,43.5) 22.2,43.18 C55.2 22.2,43.02 v1(22.2,42.7) 22.2,42.38 C54.2 22.2,42.22 ; v1(20.6,41.1) 20.92,41.1 C79.2 21.08,41.1 v1(21.4,41.1) ; v1(21.4,33.9) 21.08,33.9 C81.2 20.92,33.9 v1(20.6,33.9) ; v1(31.8,34.7) 32.12,34.7 C93.2 32.28,34.7 ; v1(27.8,39.5) C53.2 ; C91.2 17.4,31.02 v1(17.4,30.7) ; v1(27,41.9) 27,41.58 C21.2 27,41.42 v1(27,41.1) 27,40.78 C86.2 27,40.62 v1(27,40.3) ; v1(20.6,39.5) 20.92,39.5 C72.2 21.08,39.5 v1(21.4,39.5) 21.72,39.5 R56.2 21.88,39.5 v1(22.2,39.5) ; R21.1 v1(33.5,45.47) ; R22.1 v1(33.5,42.67) ; v1(27.8,38.7) C52.2
  Bottom w0.35: J2.5 40.85,6.05
  Bottom w0.7: J2.5 v2(40.8,4.75)
  vias: v1(0.75,23) v1(0.75,22) v1(0.75,18.5) v1(1,43) v1(1,39) v1(1,35) v1(1,33) v1(1,31) v1(1,29) v1(1,25) v1(1,7) v1(1.5,21) v1(1.75,24) v1(1.75,23) v1(2,45) v1(2,21.5) v1(2,5) v1(2.5,21) v1(2.5,20.25) v1(2.5,19.5) v1(2.75,24) v1(2.75,22) v1(3,31) v1(3,25) v1(3.25,22.5) v1(3.75,23) v1(4,49) v1(4,45) v1(4,34) v1(4,32) v1(4,5) v1(4,1) v1(4.5,21) v1(4.5,20) v1(5,47) v1(5,43) v1(5,35) v1(5,21.5) v1(5,20.5) v1(5,19.5) v1(5,3) v1(5.27,33) v1(5.4,21) v1(5.5,20) v1(5.5,19) v1(6,49) v1(6,45) v1(6,42) v1(6,36) v1(6,34) v1(6,32) v1(6,19.5) v1(6,18.5) v1(6,5) v1(6,1) v1(6.5,21) v1(6.45,19) v1(6.5,18) v1(7,47) v1(7,43) v1(7,35) v1(7,20.5) v1(7,17.5) v1(7,3) v1(7.3,33) v1(8,49) v1(8,45) v1(8,36) v1(8,34) v1(8,32) v1(8,5) v1(8,1) v1(8.5,42) v1(9,47) v1(9,35) v1(9,33) v1(9,3) v1(10,49) v1(10,36) v1(10,1) v1(11,47) v1(11,31) v1(11,23) v1(11,3) v1(11.5,23.5) v1(11.5,22.5) v1(11.5,21.5) v1(11.5,20.5) v1(11.5,19.5) v1(11.62,42.4) v1(11.73,36.91) v1(11.73,35.64) v1(11.73,34.36) v1(11.73,33.09) v1(12,49) v1(12,39.75) v1(12,22) v1(12,21) v1(12,20) v1(12,1) v1(12.5,22.5) v1(12.5,21.5) v1(12.5,20.5) v1(12.5,19.5) v1(12.5,18.25) v1(12.69,33.09) v1(13,47) v1(13,39) v1(13,23) v1(13,22) v1(13,21) v1(13,20) v1(13,3) v1(13.25,18) v1(13.31,33.09) v1(13.5,42.4) v1(13.5,23.5) v1(13.5,22.5) v1(13.5,21.5) v1(13.5,20.5) v1(14,49) v1(14,45) v1(14,27.5) v1(14,23) v1(14,22) v1(14,21) v1(14,20) v1(14,1) v1(14.5,42.4) v1(14.5,23.5) v1(15,47) v1(15,3) v1(15.5,39) v1(15.5,35) v1(15.5,27.5) v1(16,49) v1(16,35.5) v1(16,34.5) v1(16,1) v1(16.5,36) v1(17,47) v1(17,3) v1(17.1,26.6) v1(17.4,32.3) v1(17.88,26.6) v1(18,49) v1(18,1) v1(18.7,26.6) v1(19,5) v1(19,3) v1(19.8,41.1) v1(20,49) v1(20,47) v1(20.5,23) v1(20.5,21) v1(21,27) v1(21,7) v1(21,5) v1(21,3) v1(22,49) v1(22,29) v1(22,1) v1(23,47) v1(23,5) v1(23,3) v1(24,1) v1(24.6,31.5) v1(25,3) v1(26,1) v1(27,31.5) v1(27,3) v1(28,49) v1(28,5) v1(28,1) v1(28.25,18) v1(28.75,24.75) v1(28.75,18.25) v1(29,28.5) v1(29,27) v1(29,7) v1(29,3) v1(29.25,24.75) v1(29.25,18) v1(29.75,24.75) v1(30,49) v1(30,5) v1(30.5,28.5) v1(30.5,27) v1(30.5,26) v1(31,3) v1(32,1) v1(33,37.7) v1(33,31.5) v1(33,3) v1(33.5,25.5) v1(33.5,24.5) v1(33.8,37.2) v1(33.75,30.75) v1(33.9,38.3) v1(34,26) v1(34,25) v1(34,24) v1(34,5) v1(34,1) v1(34.5,30) v1(34.5,26.5) v1(34.5,25.5) v1(34.5,24.5) v1(34.77,38.17) v1(35,27) v1(35,26) v1(35,25) v1(35,3) v1(35.5,25.5) v1(35.5,24.5) v1(36,49) v1(36,30.5) v1(36,1) v1(36.25,19.75) v1(36.25,18.93) v1(36.25,18) v1(36.9,45.67) v1(36.9,45.02) v1(36.9,43.73) v1(36.9,42.2) v1(37,47.1) v1(37,23) v1(37,22) v1(37,19.75) v1(37,18) v1(37,3) v1(37.31,35) v1(37.5,25.5) v1(37.5,24.5) v1(37.5,22.5) v1(38,49) v1(38,25) v1(38,23) v1(38,1) v1(38.27,37.54) v1(38.27,36.27) v1(38.27,35) v1(38.27,33.73) v1(38.5,20.5) v1(38.5,19.5) v1(39,21) v1(39,20) v1(39,3) v1(39.23,36.91) v1(39.23,36.27) v1(39.23,35.64) v1(39.23,35) v1(39.23,34.36) v1(39.5,21.5) v1(40,45) v1(40,43) v1(40,42) v1(40,39) v1(40,1) v1(40.2,20.5) v1(40.2,19.5) v1(41,38) v1(41,34) v1(41,3) v1(42,40) v1(42,34) v1(42,5) v1(42,1) v1(43,39) v1(43,3) v1(43.25,19.75) v1(43.25,18) v1(43.75,20.25) v1(44,45) v1(44,5) v1(44,1) v1(44.25,32) v1(44.5,21) v1(45,47) v1(45,21.5) v1(45,3) v1(45.05,20.55) v1(45.4,21) v1(45.5,33) v1(46,49) v1(46,45) v1(46,38) v1(46,34) v1(46,32) v1(46,19.5) v1(46,5) v1(46,1) v1(46.5,22) v1(46.5,21) v1(46.5,20) v1(47,39) v1(47,37) v1(47,35) v1(47,33) v1(47,31) v1(47,21.5) v1(47,20.5) v1(47,19.5) v1(47.25,26.25) v1(47.5,22) v1(47.5,21) v1(47.5,20) v1(48,45) v1(48,41) v1(48,38) v1(48,34) v1(48,32) v1(48,21.5) v1(48,20.5) v1(48,19.5) v1(48.5,22) v1(48.5,21) v1(48.5,20) v1(48.5,19) v1(49,43) v1(49,39) v1(49,37) v1(49,35) v1(49,33) v1(49,31) v1(49,29) v1(49,7) v1(49,4) v1(49.3,23.5) v1(49.3,22.5) v1(49.3,21.5) v1(49.3,20.5) v1(49.3,19.5) v1(49.3,18.5) v1(49.3,17.5) v2(15,5.6) v2(16.1,20.5) v2(16.1,19.5) v2(16.5,5.6) v2(16.6,21) v2(16.6,20) v2(17.1,20.5) v2(17.1,19.5) v2(17.6,21) v2(17.6,20) v2(18.1,20.5) v2(18.1,19.5) v2(31.9,20.5) v2(31.9,19.5) v2(32.4,21) v2(32.4,20) v2(32.9,20.5) v2(32.9,19.5) v2(33.4,21) v2(33.4,20) v2(33.9,20.5) v2(33.9,19.5)
